# KiCad board Mainboard.kicad_pcb (continued)
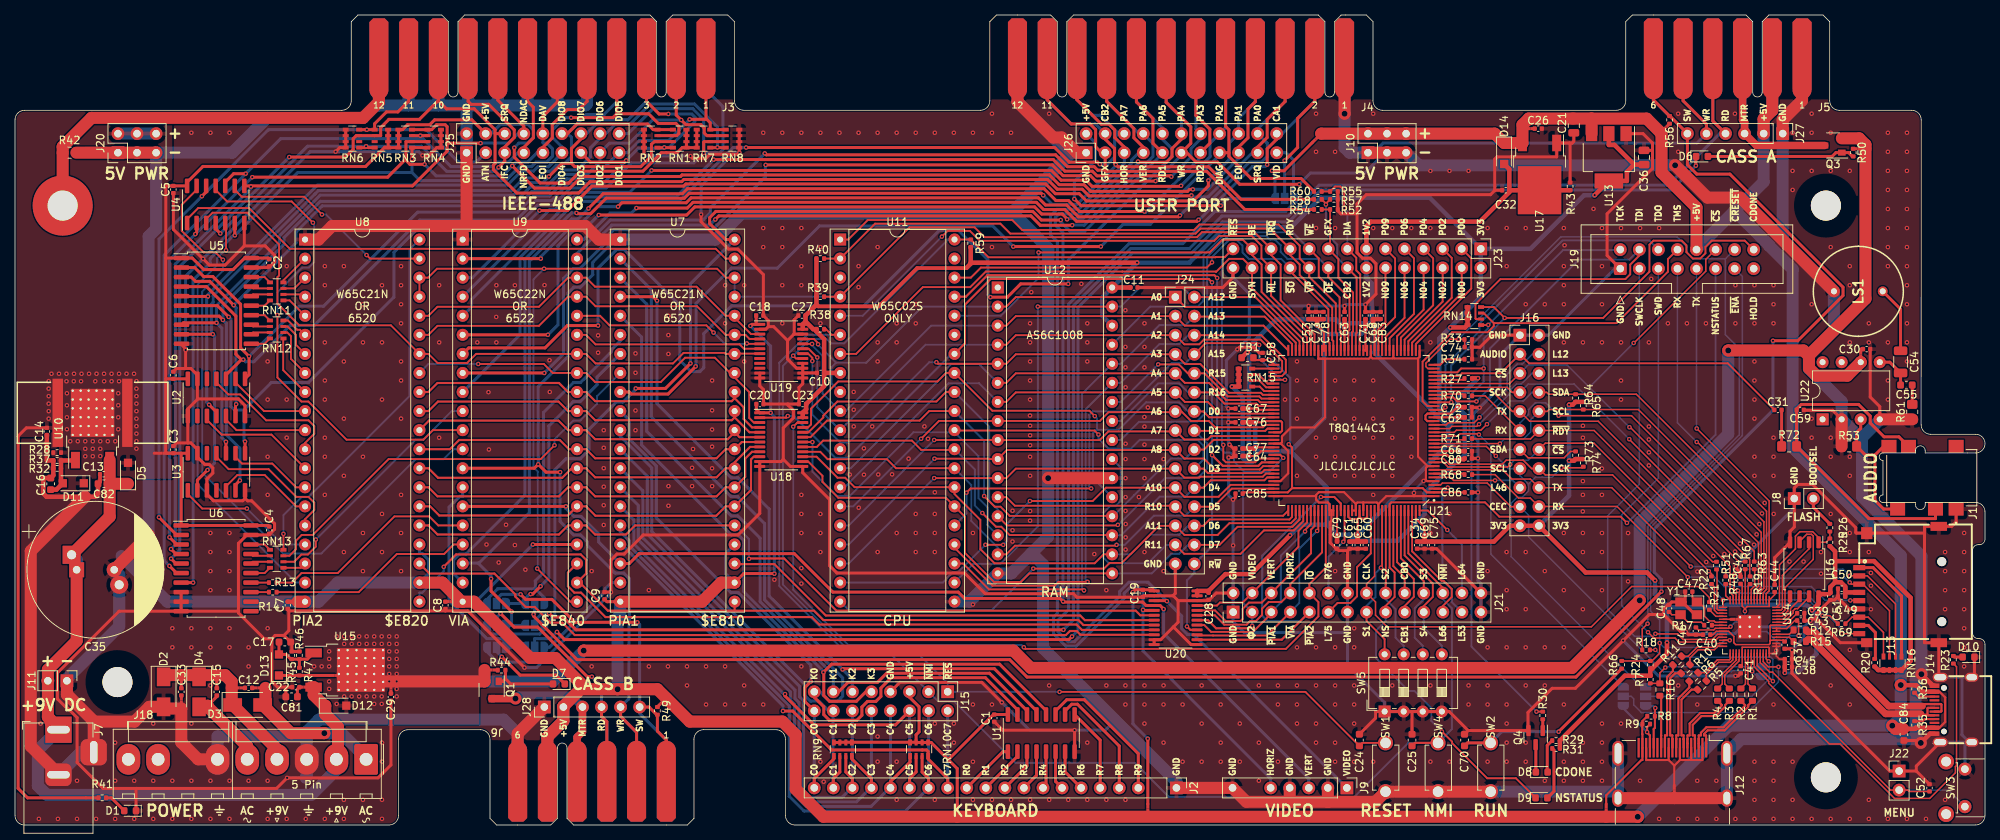
[diagram p0: board, top side]
## Routing (per net, layer and track width the routed paths; a pad name or vN(x,y) marks a point on that pad's centre or on a via; arc(x,y) is an arc through that point) (continued)
/CPU \ RAM/D5: length 75.4
  Top w0.25: U18.16 107.3,49.74 108.28,48.75 116.18,48.75 117.39,47.55 U11.28 ; J24.24 159.73,42.41 162.14,44.83 167.74,44.83 ; v1(146.78,37.34) 146.67,37.22 133.25,37.22 132.09,36.07 U12.15
  Bottom w0.25: J24.24 155.96,41.22 151.76,41.22 147.87,37.34 v1(146.78,37.34) ; U12.15 130.95,36.99 127.42,40.52 127.42,45.32 U11.28
/CPU \ RAM/D6: length 77.5
  Top w0.25: 125.19,44.44 125.19,44.1 128.63,40.67 128.63,36.78 130.53,34.88 143.86,34.88 145.05,36.07 U12.18 ; 125.19,44.44 U11.27 ; 125.19,44.44 124.61,45.02 111.88,45.02 110.62,46.28 109.61,46.28 106.8,49.09 U18.15 ; U21.110 170.16,41.06 169.82,40.72 159.18,40.72 158.34,39.87 J24.26
  Bottom w0.25: U12.18 148.66,36.07 151.27,38.68 155.14,38.68 156.33,39.87 J24.26
/CPU \ RAM/D7: length 80.8
  Top w0.25: J24.28 160.5,37.33 162.91,39.74 170.21,39.74 171.16,40.69 U21.112 ; U12.17 135.17,33.53 134.02,32.38 130.46,32.38 126.59,36.25 126.59,41.07 U11.26 124.05,43.61 109.7,43.61 107.6,45.72 107.6,46.53 105.69,48.44 104.96,48.44 U18.14
  Bottom w0.25: J24.28 156.32,37.33 155.13,36.14 154.08,36.14 151.47,33.53 U12.17
/CPU \ RAM/RAM_A10: length 40
  Top w0.25: U21.109 168.97,41.22 155.81,41.22 J24.23 154.47,42.55 133.23,42.55 132.09,43.69 U12.12
/CPU \ RAM/RAM_A11: length 46.7
  Top w0.25: U21.113 171.66,40.51 170.41,39.26 166.42,39.26 163.3,36.14 155.8,36.14 J24.27
  Bottom w0.25: U12.23 147.34,47.62 147.34,43.19 146.69,42.54 145.95,42.54 145.03,41.63 145.03,35.61 145.75,34.89 150.98,34.89 153.42,37.33 J24.27
/CPU \ RAM/RAM_A15: length 25.5
  Top w0.25: 167.74,56.83 166.09,56.83 165.8,57.12 161.58,57.12 158.51,60.19 J24.10 156.28,60.19 155.09,61.39 v1(152.33,61.39)
  Bottom w0.25: v1(152.33,61.39) 147.33,56.39 U12.26
/CPU \ RAM/RAM_A16: length 24.9
  Top w0.25: J24.12 159.66,57.65 161.15,56.16 165.4,56.16 165.74,55.83 167.74,55.83
  Bottom w0.25: J24.12 156.33,57.65 155.13,58.85 152.33,58.85 147.33,53.85 U12.25
/CPU \ RAM/~{NMI}: length 182
  Top w0.25: U11.6 108.81,65.33 108.06,66.07 R38.2 ; U21.141 185.66,36.2 190.25,31.61 J21.24
  Top w0.28: C25.1 186.55,10.94 SW4.2
  Bottom w0.25: U11.6 105.55,65.33 101.83,61.61 101.83,33.19 101.84,33.19 101.84,31.85 110.65,23.03 116.46,23.03 J15.3 123.01,16.49 124.87,16.49 125.12,16.48 133.32,8.28 149.21,8.28 153.74,3.75 178.46,3.75 185.66,10.94 189.62,10.94 ; 189.62,10.94 191.46,12.78 191.46,28.89 190.25,30.09 J21.24 ; 189.62,10.94 SW4.2
/CPU \ RAM/~{RES}: length 225.3
  Top w0.25: 167.74,48.83 165.74,48.83 165.25,48.34 161.36,48.34 161,48.69 v1(161,50.66) ; v1(139.19,17.74) 171.94,17.74 179.14,10.54 ; 179.14,10.54 179.54,10.94 SW1.2 ; 179.14,10.54 C24.1 ; 127.35,78.03 129.71,75.66 159.98,75.66 160.01,75.69 161.2,75.69 162.29,76.78 J23.27 ; 127.35,78.03 U11.40 ; 127.35,78.03 R59.2 ; v1(103.69,62.54) 104.06,62.17 104.96,62.17
  Bottom w0.25: U11.40 124.33,78.03 114.84,68.54 110.49,64.19 108.74,64.19 108.16,64.76 105.91,64.76 104.75,63.6 v1(103.69,62.54) 102.31,61.16 102.31,32.04 110.85,23.51 119.65,23.51 124.28,18.89 J15.1 139.17,17.76 v1(139.19,17.74) ; J23.27 160.82,75.31 160.82,50.84 v1(161,50.66)
/IEEE/ATN: length 104.6
  Top w0.4: J3.11 52.45,96.47 51.01,95.03 49.5,95.03 47.92,93.46 47.92,92.67 46.89,92.67 v1(46.88,92.66) 46.67,92.66 46.66,92.67 45.86,92.67 ; U4.12 25.47,84.37 v1(24.9,83.8) ; U6.2 21.54,38.65 v1(19.18,41.01)
  Bottom w0.4: v1(19.18,41.01) 19.18,78.08 v1(24.9,83.8) 33.76,92.66 v1(46.88,92.66) 54.77,92.66 59.09,88.35 61.46,88.35 J25.3
/IEEE/ATN_IN: length 49.4
  Top w0.25: RN13.8 v1(35.77,38.8)
  Bottom w0.25: v1(35.77,38.8) 35.77,41.28 38.22,43.73 39.14,43.73 52.55,57.15 52.55,76.68 U8.40
/IEEE/ATN_OUT: length 88.3
  Top w0.25: U4.13 24.2,84.66 22.22,82.67 22.22,79.17 25.08,76.37 25.15,76.31 26.72,76.31 v1(27.7,75.33)
  Bottom w0.25: U9.12 58.45,50.08 57.11,48.75 53.39,48.75 40.82,36.17 35.73,36.17 24.95,46.96 24.95,71.09 27.7,73.85 v1(27.7,75.33)
/IEEE/DAV: length 115.4
  Top w0.4: 53.1,90.27 52.9,90.07 v1(52.9,88.76) ; 53.1,90.27 RN3.1 ; 53.1,90.27 RN4.8 ; U6.7 v1(23.73,32.3) ; J25.10 70.33,94.43 72.26,96.36 J3.6 ; U4.6 29.28,78.59 v1(29.29,78.58)
  Bottom w0.4: 52.9,86.96 v1(52.9,88.76) ; 52.9,86.96 53.97,85.89 65.05,85.89 65.38,85.89 67.24,87.75 68.85,87.75 69.45,88.35 70.85,88.35 71.62,89.12 71.62,90.12 70.85,90.89 70.38,90.89 70.33,90.94 J25.10 ; 52.9,86.96 37.66,86.96 v1(29.29,78.58) 29.11,78.58 26.01,75.48 26.01,74.89 23.73,72.61 v1(23.73,32.3)
/IEEE/DAV_IN: length 27.4
  Top w0.25: R14.2 45.79,31.03 50.87,36.11 57.18,36.11 58.45,37.38 U9.17
/IEEE/DAV_OUT: length 56.2
  Top w0.25: v1(28.12,76.6) 28.12,80.11 U4.5
  Bottom w0.25: v1(28.12,76.6) 27.98,76.6 26.91,75.53 26.91,74.59 24.34,72.02 24.34,45.41 37.45,32.3 U8.19
/IEEE/DIO1: length 102.1
  Top w0.4: U2.8 31.18,60.01 v1(31.18,62.46) 30.06,63.58 30.06,69.4 26.36,73.09 25.13,73.09 23.93,74.29 U5.2 ; 94.7,92.67 92.64,92.67 92.64,93.58 92.08,94.15 ; 92.08,94.15 91.98,94.05 89.9,94.05 89.89,94.04 v1(89.89,94.04) ; 92.08,94.15 J3.1
  Bottom w0.4: v1(89.89,94.04) 89.05,93.2 87.08,91.23 86.58,91.23 86.58,91.23 83.2,91.23 81.58,89.6 J25.17 77.01,86.11 73.51,86.11 71.22,83.81 69.12,83.81 66.98,81.67 53.65,81.67 41.11,69.13 37.86,69.13 v1(31.18,62.46)
/IEEE/DIO2: length 106.3
  Top w0.4: U5.3 23.48,73.02 24.04,72.45 25.95,72.45 v1(29.13,69.27) ; J3.2 88.11,94.61 v1(88.77,93.95) 89.39,93.33 91.4,93.33 91.84,92.89 91.84,92.23 92.19,91.87 94.7,91.87 ; v1(29.47,56.08) 29.38,55.99 U2.6
  Bottom w0.4: v1(88.77,93.95) 84.96,93.95 81.87,90.87 79.23,90.87 J25.15 77.95,88.4 76.27,86.71 73.26,86.71 70.97,84.41 68.87,84.41 66.98,82.52 40.94,82.52 37.44,79.02 37.44,77.58 v1(29.13,69.27) 29.47,68.94 v1(29.47,56.08)
/IEEE/DIO3: length 110.5
  Top w0.4: 30.16,62.02 29.43,62.75 29.43,67.83 25.5,71.75 U5.4 ; 30.16,62.02 28.11,59.98 U2.10 ; 30.16,62.02 v1(30.42,62.02) ; J25.13 76.67,88.35 81.22,88.35 v1(81.45,88.57) ; RN2.5 86.48,90.27 v1(86.51,90.3) 86.54,90.27 RN1.4 ; v1(87.06,94.76) 85.82,94.76 84.15,96.43 J3.3
  Bottom w0.4: v1(87.06,94.76) 87.06,94.7 87.1,94.74 90.18,94.74 90.6,94.32 90.6,93.74 87.16,90.3 v1(86.51,90.3) 86.41,90.2 83.07,90.2 v1(81.45,88.57) 78.39,85.51 73.77,85.51 71.47,83.21 69.38,83.21 66.79,80.62 53.93,80.62 39.9,66.59 36.69,66.59 31.83,61.74 30.71,61.74 v1(30.42,62.02)
/IEEE/DIO4: length 104.5
  Top w0.4: U5.5 22.19,70.48 22.23,70.44 v1(25.71,70.44) ; J3.4 80.19,94.79 ; 80.19,94.79 79.67,94.27 v1(74.11,94.27) ; 80.19,94.79 84.42,94.79 85.71,93.5 88.07,93.5 88.47,93.1 88.47,92.17 88.17,91.87 85.61,91.87 ; U2.4 26.84,55.03 v1(25.86,56.01)
  Bottom w0.4: v1(25.86,56.01) 25.55,56.32 25.55,70.28 v1(25.71,70.44) 25.71,70.7 40.29,85.28 65.62,85.28 67.49,87.15 69.1,87.15 69.67,87.72 70.6,87.72 70.6,87.72 71.08,87.72 72.88,89.52 J25.11 72.88,90.37 71.62,91.62 71.62,92.66 73.24,94.27 v1(74.11,94.27)
/IEEE/DIO5: length 139.5
  Top w0.4: v1(91.77,89.55) 91.77,91 91.84,91.07 RN7.2 RN8.7 ; U5.6 26.97,69.21 v1(28.47,67.71) ; v1(30.65,51.1) U3.8
  Bottom w0.4: v1(28.47,67.71) 28.76,67.42 28.76,55.79 29.23,55.32 30.51,55.32 ; v1(91.77,89.55) 90.46,88.24 82.11,88.24 78.78,84.91 74.01,84.91 71.72,82.61 69.63,82.61 66.87,79.86 54.02,79.86 50.49,76.32 50.49,70.35 39.12,58.97 34.16,58.97 30.51,55.32 ; v1(91.77,89.55) 91.77,94 90.3,95.47 85.03,95.47 81.7,92.14 J25.18 ; v1(91.77,89.55) 91.84,89.62 93.51,89.62 93.56,89.57 93.89,89.57 94.33,90 94.33,95.73 J3.A ; v1(30.65,51.1) 30.51,51.24 30.51,55.32
/IEEE/DIO6: length 118.4
  Top w0.4: RN7.1 93.56,90.27 v1(93.6,90.31) 93.64,90.27 RN8.8 ; U5.7 22.25,67.88 22.32,67.81 27.2,67.81 v1(27.7,67.31) ; U3.6 29.38,45.34 v1(29.96,45.92)
  Bottom w0.4: J3.B 88.11,96.31 ; 88.11,96.31 87.87,96.07 84.6,96.07 81.92,93.39 79.98,93.39 78.73,92.14 78.55,92.14 ; 88.11,96.31 88.33,96.09 90.53,96.09 93.6,93.02 v1(93.6,90.31) ; 78.55,92.14 J25.16 ; 78.55,92.14 76.67,90.25 76.67,89.05 74.93,87.31 73.02,87.31 73.01,87.31 70.72,85.01 68.62,85.01 66.73,83.12 40.69,83.12 35.85,78.27 35.85,77.39 27.7,69.25 v1(27.7,67.31) 28.16,66.85 28.16,52.01 29.96,50.21 v1(29.96,45.92)
/IEEE/DIO7: length 113.2
  Top w0.4: RN1.3 RN2.6 85.21,91.07 84.8,90.73 84.8,89.17 83.38,87.74 74.58,87.74 74.15,88.18 ; 74.15,88.18 72.9,88.18 v1(71.14,86.43) ; 74.15,88.18 74.15,90.16 75.42,91.43 J25.14 ; v1(26.85,66.93) 22.44,66.93 U5.8 ; U3.10 v1(28.11,51.06)
  Bottom w0.4: J25.14 76.15,92.14 78,93.99 81.68,93.99 84.15,96.46 J3.C ; v1(28.11,51.06) 27.56,51.61 27.56,66.22 v1(26.85,66.93) 26.85,69.25 35.25,77.64 35.25,78.52 40.66,83.93 66.39,83.93 68.07,85.61 70.33,85.61 v1(71.14,86.43)
/IEEE/DIO8: length 116.5
  Top w0.4: J25.12 73.61,92.14 74.89,93.42 84.29,93.42 85.04,92.67 87.67,92.67 ; U3.2 24.3,45.96 v1(25.65,47.31) ; U5.9 v1(26.35,65.4)
  Bottom w0.4: 73.65,92.14 73.65,92.14 74.14,91.64 74.14,89.04 73.01,87.91 72.11,87.91 71.32,87.12 70.85,87.12 70.85,87.12 70.66,87.12 69.76,86.22 67.82,86.22 66.14,84.53 40.41,84.53 39.96,84.08 39.94,84.08 26.41,70.54 26.41,69.65 26.15,69.4 26.15,65.6 v1(26.35,65.4) 26.59,65.17 26.59,48.25 v1(25.65,47.31) ; 73.65,92.14 73.58,92.14 76.13,94.69 78.49,94.69 80.19,96.39 J3.D ; 73.65,92.14 J25.12
/IEEE/DIO_IN1: length 4.4
  Top w0.25: RN11.8 35.77,72.6 U8.2
/IEEE/DIO_IN2: length 3.5
  Top w0.25: RN11.7 37.22,71.51 U8.3
/IEEE/DIO_IN3: length 3
  Top w0.25: RN11.6 38.34,70.71 U8.4
/IEEE/DIO_IN4: length 3.7
  Top w0.25: RN11.5 36.6,69.91 U8.5
/IEEE/DIO_IN5: length 3.7
  Top w0.25: U8.6 37.98,65.99 37.62,65.99 36.37,67.24 RN12.8
/IEEE/DIO_IN6: length 5.2
  Top w0.25: U8.7 37.45,63.99 37.45,65.32 36.32,66.44 RN12.7
/IEEE/DIO_IN7: length 6.9
  Top w0.25: U8.8 36.77,62.12 36.77,65.15 36.27,65.64 RN12.6
/IEEE/DIO_IN8: length 8.4
  Top w0.25: U8.9 35.74,60.62 35.74,64.81 RN12.5
/IEEE/DIO_OUT1: length 11.3
  Top w0.25: U8.10 33.18,55.16 29.38,58.96 U2.9
/IEEE/DIO_OUT2: length 11.6
  Top w0.25: U8.11 29.51,52.62 28.11,54.02 U2.5
/IEEE/DIO_OUT3: length 19.5
  Top w0.25: U2.11 26.84,58.96 28.42,57.38 30.01,57.38 33.46,53.93 39.11,53.93 39.88,53.16 39.88,52.14 38.65,50.91 U8.12
/IEEE/DIO_OUT4: length 16.3
  Top w0.25: U8.13 34.17,52.02 27.54,52.02 25.57,53.99 U2.3
/IEEE/DIO_OUT5: length 11.5
  Top w0.25: U3.9 29.38,49.03 30.24,48.17 34.28,48.17 37.45,45 U8.14
/IEEE/DIO_OUT6: length 13.4
  Top w0.25: U3.5 28.11,45.12 29.62,46.63 33.28,46.63 37.45,42.46 U8.15
/IEEE/DIO_OUT7: length 19.6
  Top w0.25: U3.11 26.84,49.05 28.47,47.42 33.79,47.42 37.47,43.73 39.1,43.73 39.88,42.95 39.88,41.98 38.65,40.75 U8.16
/IEEE/DIO_OUT8: length 18.9
  Top w0.25: v1(30.9,42.17) 24.95,42.17 23.03,44.09 U3.1
  Bottom w0.25: v1(30.9,42.17) 35.69,37.38 U8.17
/IEEE/EOI: length 226.6
  Top w0.4: U6.3 21.55,37.38 v1(20.59,38.34) ; v1(66.26,87.84) 69.23,84.87 73.94,84.87 75.5,86.43 88.68,86.43 88.88,86.63 137.83,86.63 139.13,85.34 142.45,85.34 143.34,84.44 156.23,84.44 156.5,84.71 v1(156.95,84.71) ; 52.1,88.77 52.1,91.07 RN3.2 RN4.7 ; 52.1,88.77 52.1,88.57 52.62,88.05 v1(54.57,88.05) ; 52.1,88.77 49.65,86.33 v1(31.62,86.33) ; U4.2 24.2,78.92 v1(24.03,78.75) ; J26.17 163.04,90.33 164.29,91.59 164.29,95.42 165.28,96.4 J4.4 ; J3.5 76.23,96.44 75.13,95.34 73.58,95.34 71.59,93.35 71.59,91.55 70.33,90.3 J25.9
  Bottom w0.4: v1(156.95,84.71) 158.91,84.71 163.04,88.84 J26.17 ; v1(20.59,38.34) 20.59,75.31 v1(24.03,78.75) 24.04,78.75 v1(31.62,86.33) ; J25.9 69.56,89.6 68.31,88.35 66.77,88.35 v1(66.26,87.84) 64.93,86.52 56.1,86.52 v1(54.57,88.05)
/IEEE/EOI_IN: length 56.7
  Top w0.25: v1(71.89,50.61) 70.05,48.77 49.79,48.77 39.67,38.65 38.2,38.65 37.45,37.9 37.45,36.76 36.57,35.88 RN13.7
  Bottom w0.25: v1(71.89,50.61) 71.89,51.39 74.39,53.89 75.32,53.89 77.56,56.13 77.56,57.15 U7.8
/IEEE/EOI_OUT: length 76.9
  Top w0.25: U7.39 94.69,75.48 94.02,76.15 94.02,76.15 93.38,76.79 36.62,76.79 31.19,82.22 24.41,82.22 22.93,80.74 U4.1
/IEEE/IFC: length 62.5
  Top w0.4: J3.9 60.38,96.44 60.78,96.04 63.12,96.04 66.52,92.64 66.52,91.62 65.26,90.35 J25.5 65.26,88.46 v1(64.44,87.65) ; 46.78,90.31 46.69,90.31 46.66,90.27 RN6.5 ; 46.78,90.31 v1(46.78,90.46) ; 46.78,90.31 47.09,90.31 47.12,90.27 RN5.4 ; v1(27.35,78.83) 26.74,79.44 U4.4
  Bottom w0.4: v1(27.35,78.83) 38.97,90.46 v1(46.78,90.46) 54.17,90.46 57.51,87.12 63.91,87.12 v1(64.44,87.65)
/IEEE/IFC_OUT: length 89.5
  Top w0.25: U4.3 25.47,80.74 26.33,81.6 30.95,81.6 35.19,77.36 35.19,73.23 34.97,73.01 34.97,69.49 37.86,66.59 50.08,66.59 U8.34 55.09,62.78 56.31,61.57 60.23,61.57 61.45,62.78 U9.34 76.09,62.78 77.36,61.51 87.67,61.51 89.08,62.92 94.55,62.92 94.69,62.78 U7.34 95.93,62.82 99.23,62.82 U19.7
/IEEE/NDAC: length 109.7
  Top w0.4: 31.43,85.17 v1(31.43,85.08) ; 31.43,85.17 52.96,85.17 57.58,89.8 57.58,90.87 ; 31.43,85.17 U4.8 ; 57.58,90.87 57.58,93.07 57.32,93.33 56.17,93.33 55.52,92.67 52.9,92.67 ; 57.58,90.87 v1(62.03,90.87) ; J3.8 64.34,96.6 67.8,93.14 J25.8 ; v1(20.79,36.78) 21.45,36.11 U6.4
  Bottom w0.4: J25.8 67.03,92.14 65.76,90.87 v1(62.03,90.87) ; v1(31.43,85.08) 31.43,84.83 21.36,74.75 21.36,37.34 v1(20.79,36.78)
/IEEE/NDAC_IN: length 32.8
  Top w0.25: v1(40.08,38.04) 40.08,37.1 39.02,36.05 38.15,36.05 37.19,35.08 RN13.6
  Bottom w0.25: v1(40.08,38.04) 53.39,51.35 54.4,51.35 58.21,55.16 U9.10
/IEEE/NDAC_OUT: length 28.9
  Top w0.25: U4.9 29.28,84.66 30.21,83.73 38.54,83.73 v1(40.9,81.36) ; v1(46.84,75.96) 47.32,75.48 U8.39
  Bottom w0.25: v1(46.84,75.96) 41.44,81.36 v1(40.9,81.36)
/IEEE/NRFD: length 115.7
  Top w0.4: J25.7 67.8,90.3 69.07,91.57 69.07,95.66 68.3,96.43 J3.7 ; U4.10 28.01,85.17 28.01,85.67 29.14,86.8 v1(30.74,86.8) ; 52.9,91.87 v1(54.01,91.87) 54.96,91.87 ; 22.14,33.57 21.53,33.57 v1(20.58,34.52)
  Bottom w0.4: 54.01,91.48 54.35,91.48 58.08,87.74 63.54,87.74 64.15,88.35 65.78,88.35 67.03,89.6 J25.7 ; 54.01,91.48 v1(54.01,91.87) ; 54.01,91.48 35.41,91.48 31.08,87.15 v1(30.74,86.8) 19.88,75.95 19.88,35.22 v1(20.58,34.52)
/IEEE/NRFD_IN: length 28.9
  Top w0.25: R13.2 36.91,32.3 38.18,33.57 43,33.57 50.56,41.13 55.19,41.13 56.39,39.92 U9.16
/IEEE/NRFD_OUT: length 67.2
  Top w0.25: v1(39.69,80.27) 36.87,83.1 28.26,83.1 26.74,84.62 U4.11 ; U9.11 55.69,52.62 54.42,51.35 44.17,51.35 39.09,56.43 38.17,56.43 34.97,59.64 v1(34.97,67.96)
  Bottom w0.25: v1(34.97,67.96) 34.97,70.98 38.27,74.28 39.15,74.28 39.87,75 39.87,80.09 v1(39.69,80.27)
/IEEE/SRQ: length 222.1
  Top w0.4: 63.97,92.17 63.97,88.17 63.74,87.94 63.74,87.36 66.87,84.22 75.1,84.22 76.62,85.75 88.84,85.75 89.13,86.03 137.59,86.03 138.88,84.74 142.2,84.74 143.1,83.84 156.69,83.84 v1(156.76,83.91) ; 63.97,92.17 64,92.14 J25.6 ; 63.97,92.17 63.97,92.66 61.19,95.44 57.49,95.44 56.41,96.51 J3.10 56.41,96.57 53.89,94.04 49.82,94.04 48.72,92.94 48.72,91.87 45.46,91.87 45.06,91.47 45.06,90.03 44.04,89.02 v1(36.54,89.02) ; J4.3 169.24,96.42 166.85,94.04 166.85,91.62 165.58,90.35 J26.19 ; v1(20.8,35.49) 21.44,34.84 U6.5
  Bottom w0.4: v1(156.76,83.91) 156.94,83.72 159,83.72 164.88,89.6 J26.19 ; v1(20.8,35.49) 21.96,36.64 21.96,74.43 v1(36.54,89.02)
/IEEE/SRQ_IN: length 3.1
  Top w0.25: RN13.5 38.09,34.28 U8.18
/IO/BA0: length 50.7
  Top w0.25: U8.36 55.09,67.86 56.29,69.07 69.81,69.07 73.69,72.94 U9.38 76.09,72.94 77.29,71.74 90.81,71.74 94.69,67.86 U7.36 95.89,67.61 98.07,65.42 U19.3
/IO/BA1: length 49.8
  Top w0.25: U19.4 97.88,64.77 97.33,65.32 U7.35 94.69,65.32 90.88,69.13 77.36,69.13 76.09,70.4 U9.37 73.69,70.4 69.81,66.53 56.29,66.53 55.09,65.32 U8.35
/IO/BA2: length 25.9
  Top w0.25: U9.36 77.95,67.86 79.22,66.59 92.12,66.59 v1(93.08,65.63) ; U19.5 97.57,64.12 v1(97.51,64.17)
  Bottom w0.25: v1(97.51,64.17) 97.46,64.12 94.59,64.12 v1(93.08,65.63)
/IO/BA3: length 25.1
  Top w0.25: U9.35 76.09,65.32 77.36,64.05 96.56,64.05 97.14,63.47 U19.6
/IO/BD0: length 54.2
  Top w0.25: 95.59,59.94 U7.33 ; 95.59,59.94 93.26,62.27 89.29,62.27 86.05,59.04 77.29,59.04 76.09,60.24 U9.33 71.66,60.24 70.47,61.44 v1(61.73,61.44) ; 95.59,59.94 97.83,57.7 97.83,54.25 98.44,53.64 U18.3
  Bottom w0.25: U8.33 55.09,61.45 61.72,61.45 v1(61.73,61.44)
/IO/BD1: length 50.4
  Top w0.28: U8.32 55.09,57.7 56.29,58.91 72.49,58.91 73.69,57.7 U9.32 76.09,57.7 77.31,56.48 95.5,56.48 95.89,56.88 ; 95.89,56.88 97.09,55.68 97.09,54.11 98.21,52.99 U18.4 ; 95.89,56.88 95.89,57.7 U7.32
/IO/BD2: length 48.7
  Top w0.28: U7.31 95.89,55.16 95.89,54.32 ; U18.5 97.87,52.34 95.89,54.32 ; 95.89,54.32 95.52,53.95 77.31,53.95 76.09,55.16 U9.31 73.69,55.16 72.42,56.43 56.36,56.43 55.09,55.16 U8.31
/IO/BD3: length 47.8
  Top w0.28: 95.89,52.34 96.54,51.69 U18.6 ; 95.89,52.34 94.97,51.41 77.3,51.41 76.09,52.62 U9.30 73.69,52.62 72.42,53.89 55.16,53.89 U8.30 ; 95.89,52.34 95.89,52.62 U7.30
/IO/BD4: length 47.8
  Top w0.28: U8.29 57.95,50.08 59.18,51.31 72.59,51.31 73.81,50.08 U9.29 76.09,50.08 77.3,48.87 93.48,48.87 94.69,50.08 U7.29 96.85,51.04 99.24,51.04 U18.7
/IO/BD5: length 49
  Top w0.28: U8.28 55.09,47.54 56.36,46.27 72.92,46.27 74.02,47.38 74.04,47.38 74.2,47.54 U9.28 76.09,47.54 77.3,46.34 93.48,46.34 94.69,47.54 U7.28 95.89,48.33 97.95,50.39 U18.8
/IO/BD6: length 50.7
  Top w0.28: U8.27 55.09,45 56.29,43.8 72.49,43.8 73.69,45 U9.27 76.09,45 77.3,43.8 93.48,43.8 94.69,45 U7.27 95.89,45 97.3,46.41 97.3,48.83 98.2,49.74 U18.9
/IO/BD7: length 52.5
  Top w0.28: U18.10 98.44,49.09 98.07,48.72 98.07,44.65 U7.26 94.69,42.46 93.44,41.21 77.34,41.21 76.09,42.46 U9.26 73.68,41.25 56.52,41.25 55.31,42.46 U8.26
/IO/BPHI2: length 106.4
  Top w0.28: U20.6 149.95,27.95 149.33,28.56 109.44,28.56 102.49,35.52 97.85,35.52 v1(97.8,35.46) ; U8.25 55.09,39.92 56.3,38.71 72.48,38.71 73.69,39.92 U9.25 76.09,39.92 77.3,38.72 81.41,38.72 82.62,39.92 U7.25
  Bottom w0.28: v1(97.8,35.46) 97.8,38.1 95.97,39.92 U7.25
/IO/BR~{W}: length 110.1
  Top w0.28: 95.89,28.56 79,28.56 75.26,32.3 U9.22 76.1,33.51 76.1,35.35 75.39,36.06 58.78,36.06 v1(57.13,34.41) ; 95.89,28.56 95.89,28.56 106.47,28.56 107.72,27.31 141.7,27.31 142.36,26.65 U20.8 ; 95.89,28.56 U7.21
  Bottom w0.28: v1(57.13,34.41) 57.13,33.83 54.27,30.97 53.89,30.97 U8.21
/IO/BVERT: length 210.3
  Top w0.4: v1(153.05,28.78) 152.59,29.25 U20.4 150.72,29.25 150.26,29.71 139.73,29.71 v1(139.66,29.78) 139.24,30.2 126.53,30.2 125.69,31.04 108.97,31.04 103.84,36.16 83.17,36.16 81.85,34.84 U7.18 ; J4.9 145.47,96.43 149.09,92.81 149.09,91.58 150.34,90.33 J26.7 ; v1(73.4,42.46) 73.4,42.46 U9.15
  Bottom w0.4: J26.7 149.76,89.6 148.79,88.63 148.79,88.21 142.04,81.45 139.13,81.45 138.62,80.94 138.62,79.96 139.64,78.94 139.64,29.8 v1(139.66,29.78) ; U7.18 77.77,37.72 77.77,38.79 75.43,41.13 74.47,41.13 73.4,42.19 v1(73.4,42.46) ; J9.3 172.39,6.2 153.05,25.53 v1(153.05,28.78)
/IO/B~{PIA1_CS}: length 59
  Top w0.28: U20.7 142.56,27.3 141.94,27.92 108.04,27.92 101.2,34.76 95.97,34.76 U7.23
/IO/B~{PIA2_CS}: length 102.4
  Top w0.28: U8.23 55.22,33.51 63.88,33.51 66.66,30.73 66.66,30.45 67.08,30.04 67.08,30.03 68.05,29.05 69.25,29.05 71.34,26.97 72.93,26.97 74.58,25.31 140.02,25.31 140.57,25.85 141.46,25.85 141.97,25.35 U20.10
/IO/B~{VIA_CS}: length 84.1
  Top w0.28: U20.9 142.16,26 141.45,26.72 107.16,26.72 106.17,27.71 78.68,27.71 75.42,30.97 74.52,30.97 73.67,31.82 73.67,33.62 U9.23
/IO/DIAG: length 124.2
  Top w0.4: 161.75,89.6 161.75,89.12 164.71,86.16 171.37,86.16 R60.2 ; 161.75,89.6 J26.15 ; 161.75,89.6 161.75,92.66 161.32,93.09 161.32,97.98 J4.5 ; v1(144.69,77.09) v1(133.02,77.09) ; v1(90.69,61.12) 90.69,61.1 87.03,57.44 82.12,57.44 81.85,57.7 U7.9
  Bottom w0.4: v1(133.02,77.09) 130.27,79.84 107.21,79.84 101.58,74.21 95.45,74.21 90.76,69.52 90.76,61.19 v1(90.69,61.12) ; v1(144.69,77.09) 147.64,80.05 151.27,80.05 160.5,89.27 J26.15
/IO/GRAPHIC: length 123.8
  Top w0.4: R54.2 163.88,82.03 158.79,87.12 145.41,87.12 145.26,87.27 ; J26.3 145.26,89.12 ; 145.26,89.12 145.26,87.27 ; 145.26,89.12 143.99,90.39 143.99,92.68 143.24,93.43 140.74,93.43 137.54,96.63 J4.11 ; 145.26,87.27 144.27,87.27 143.8,87.74 140.23,87.74 138.66,89.31 100.11,89.31 v1(99.91,89.51)
  Bottom w0.4: U9.39 74.89,76.18 79.33,80.62 91.67,80.62 92.65,81.6 92.65,82.26 v1(99.91,89.51)
/IO/KEY_COL0: length 67.5
  Top w0.4: v1(106.03,19.12) 105.25,18.33 105.25,16.47 J15.16 ; RN9.1 109.11,8.81 106.5,6.2 J2.20
  Bottom w0.4: v1(106.03,19.12) 106.03,21.32 97.78,29.57 96.39,30.97 95.41,30.97 85.45,40.93 85.45,47.79 85.45,47.85 81.85,51.44 81.85,53.96 U7.10 ; J15.16 J2.20
/IO/KEY_COL1: length 65.1
  Top w0.4: RN9.2 109.91,7.07 109.04,6.2 J2.19
  Bottom w0.4: J15.14 109.04,15.22 109.01,15.19 ; 109.01,15.19 108.43,15.19 107.11,16.5 105.98,16.5 105.23,17.26 105.23,18.74 95.41,28.56 95.39,28.56 84.85,39.11 84.85,47.6 80.65,51.8 U7.11 ; 109.01,15.19 109.01,6.22 109.04,6.2 J2.19
/IO/KEY_COL2: length 77.9
  Top w0.4: J2.18 111.58,6.2 110.71,7.07 RN9.3
  Bottom w0.4: J2.18 111.53,4.99 111.52,5 ; J15.12 111.58,5.06 111.52,5 ; 111.52,5 110.21,3.69 105.97,3.69 105.07,4.59 105.07,16.57 104.55,17.09 104.55,18.47 84.25,38.76 84.25,46.49 U7.12
/IO/KEY_COL3: length 79.6
  Top w0.4: RN9.4 111.51,8.81 114.12,6.2 J2.17
  Bottom w0.4: U7.13 83.65,44.54 83.65,38.27 103.94,17.98 103.94,16.85 104.47,16.33 104.47,4.34 105.72,3.09 112.15,3.09 114.06,5 ; J15.10 114.12,13.96 114.12,13.96 114.12,5.06 114.06,5 ; 114.06,5 114.08,4.99 J2.17
/IO/KEY_COL4: length 80.7
  Top w0.4: RN10.1 119.27,8.4 116.66,5.79 J2.16
  Bottom w0.4: 116.6,5 116.61,4.99 J2.16 ; 116.6,5 116.66,5.06 J15.8 ; 116.6,5 114.07,2.48 105.44,2.48 103.86,4.05 103.86,16.08 103.3,16.64 103.3,17.74 83.05,38 83.05,42.6 U7.14
/IO/KEY_COL5: length 68.3
  Top w0.4: J15.6 117.33,13.35 106.46,13.35 102.6,17.2 v1(102.6,17.45) ; J2.15 119.2,6.2 120.07,7.07 RN10.2
  Bottom w0.4: U7.15 82.45,40.66 82.45,37.46 102.46,17.45 v1(102.6,17.45) ; J15.6 J2.15
/IO/KEY_COL6: length 81
  Top w0.4: J2.14 121.74,6.2 120.87,7.07 RN10.3
  Bottom w0.4: J15.4 J2.14 121.74,4.94 118.65,1.85 105.13,1.85 103.17,3.82 103.17,15.9 81.85,37.22 81.85,37.88 80.65,39.08 U7.16
/IO/KEY_COL7: length 69.1
  Top w0.4: v1(102.33,15.18) 103.63,15.18 108.81,10 120.89,10 120.89,10 121.47,10 121.67,9.8 RN10.4 121.67,8.81 124.28,6.2 J2.13
  Bottom w0.4: v1(102.33,15.18) 102.33,15.89 80.83,37.38 U7.17 ; J15.2 J2.13
/IO/KEY_ROW0: length 111.4
  Top w0.4: J15.15 106.5,17.02 107.77,15.75 107.77,14.71 108.52,13.96 112.18,13.96 112.85,14.63 112.85,15.73 113.59,16.47 114.71,16.47 115.38,17.14 115.38,18.25 116.76,19.63 129.3,19.63 133.57,15.35 U1.15
  Bottom w0.4: U7.2 84.78,71.36 84.78,54.4 95.41,43.77 96.28,43.77 99.89,40.17 99.89,30.01 110.29,19.61 110.29,17.17 109.63,16.5 108.51,16.5 107.26,17.76 J15.15
/IO/KEY_ROW1: length 96.9
  Top w0.4: U1.14 134.84,15.24 129.85,20.23 116.15,20.23 114.93,19.01 110.99,19.01 109.74,17.76 J15.13
  Bottom w0.4: U7.3 84.18,69.41 84.18,52.46 95.44,41.19 96.32,41.19 99.29,38.23 99.29,29.76 109.04,20.01 J15.13
/IO/KEY_ROW2: length 97.2
  Top w0.4: U7.4 85.02,70.4 v1(85.55,69.87) ; U1.13 136.11,15.21 130.5,20.83 110.38,20.83 v1(110.28,20.73)
  Bottom w0.4: J15.11 111.58,19.43 v1(110.28,20.73) 100.49,30.52 100.49,42.11 96.33,46.27 95.44,46.27 85.55,56.16 v1(85.55,69.87)
/IO/KEY_ROW3: length 102.8
  Top w0.4: U1.12 137.38,15.25 131.2,21.43 108.81,21.43 v1(107.72,20.34) 107.77,20.29 107.77,17.25 108.54,16.49 112.11,16.49 113.38,17.76 J15.9
  Bottom w0.4: U7.5 83.49,65.02 83.49,50.65 94.69,39.45 94.69,39.43 95.46,38.65 96.38,38.65 97.09,37.94 97.09,31.11 107.72,20.48 v1(107.72,20.34)
/IO/VIA_CA1: length 111.2
  Top w0.4: v1(82.8,82.22) 89.58,82.22 90.34,82.99 136.1,82.99 137.06,82.02 139.88,82.02 141.44,80.46 157.5,80.46 v1(157.71,80.66) ; v1(166.85,88.01) 166.85,90.12 168.12,91.39 J26.22
  Bottom w0.4: v1(82.8,82.22) 82.12,81.54 79.29,81.54 75.77,78.02 U9.40 ; J4.B 173.2,96.47 168.88,92.14 J26.22 ; v1(166.85,88.01) 166.59,87.75 164.88,87.75 157.79,80.66 v1(157.71,80.66)
/IO/VIA_CB2: length 177.4
  Top w0.4: R58.2 163.37,83.38 159.03,87.72 146.97,87.72 v1(146.68,88.01) 146.51,88.17 146.51,90.15 145.93,90.73 145.26,91.4 J26.4 ; v1(74.82,81.57) 74.92,81.47 76.71,81.47 78.76,83.53 89.18,83.53 89.84,84.19 136.74,84.19 v1(137.01,83.92)
  Bottom w0.4: v1(146.68,88.01) 146.68,87.88 141.51,82.71 138.22,82.71 v1(137.01,83.92) ; J26.4 143.96,93.44 140.72,93.44 137.54,96.62 J4.M ; U9.19 58.44,33.51 58.44,35.34 59.22,36.11 60.1,36.11 67.94,43.95 67.94,75.38 74.13,81.57 v1(74.82,81.57)
/IO/VIA_PA0: length 126
  Top w0.4: v1(80.35,82.41) 80.86,82.93 89.44,82.93 90.1,83.59 136.35,83.59 137.32,82.62 140.12,82.62 141.69,81.06 155.05,81.06 v1(155.23,81.23) ; U9.2 v1(70.06,75.48)
  Bottom w0.4: v1(80.35,82.41) 77.65,82.41 75.41,80.17 74.49,80.17 70.06,75.74 v1(70.06,75.48) ; v1(155.23,81.23) 157.1,83.1 159.23,83.1 164.48,88.35 166.1,88.35 166.85,89.1 166.85,90.87 J26.20 165.58,92.77 169.24,96.42 J4.C
/IO/VIA_PA1: length 121.7
  Top w0.4: v1(69.89,81.89) 73.61,81.89 76.87,85.14 89.09,85.14 89.38,85.43 137.34,85.43 138.63,84.14 141.8,84.14 142.77,83.17 157.01,83.17 159.02,85.17 v1(159.02,85.9)
  Bottom w0.4: J4.D 165.28,96.41 163.04,94.18 J26.18 161.79,90.89 161.79,88.67 v1(159.02,85.9) ; v1(69.89,81.89) 60.95,72.94 U9.3
/IO/VIA_PA2: length 118.9
  Top w0.4: v1(155.37,85.19) 155.29,85.11 143.52,85.11 142.7,85.94 139.4,85.94 138.1,87.23 v1(84.82,87.23)
  Bottom w0.4: J4.E 161.31,97.98 161.31,92.94 J26.16 159.25,90.89 159.25,89.08 155.64,85.47 155.64,85.46 v1(155.37,85.19) ; v1(84.82,87.23) 81.9,84.31 74.26,84.31 71.97,82.02 71.26,82.02 U9.4